# Altium PCB VM3300_V0.5_潘工改.PcbDoc (part 1 of 2)
Units mil, origin at the board's own origin, x right, y up, seen from the top; angles counter-clockwise.
Board outline 5128.14 x 5521.84 mil, 2 copper layers (Top Layer, Bottom Layer), stack 61.855 mil thick; 145 components, 95 nets, 448 pads, 243 vias.
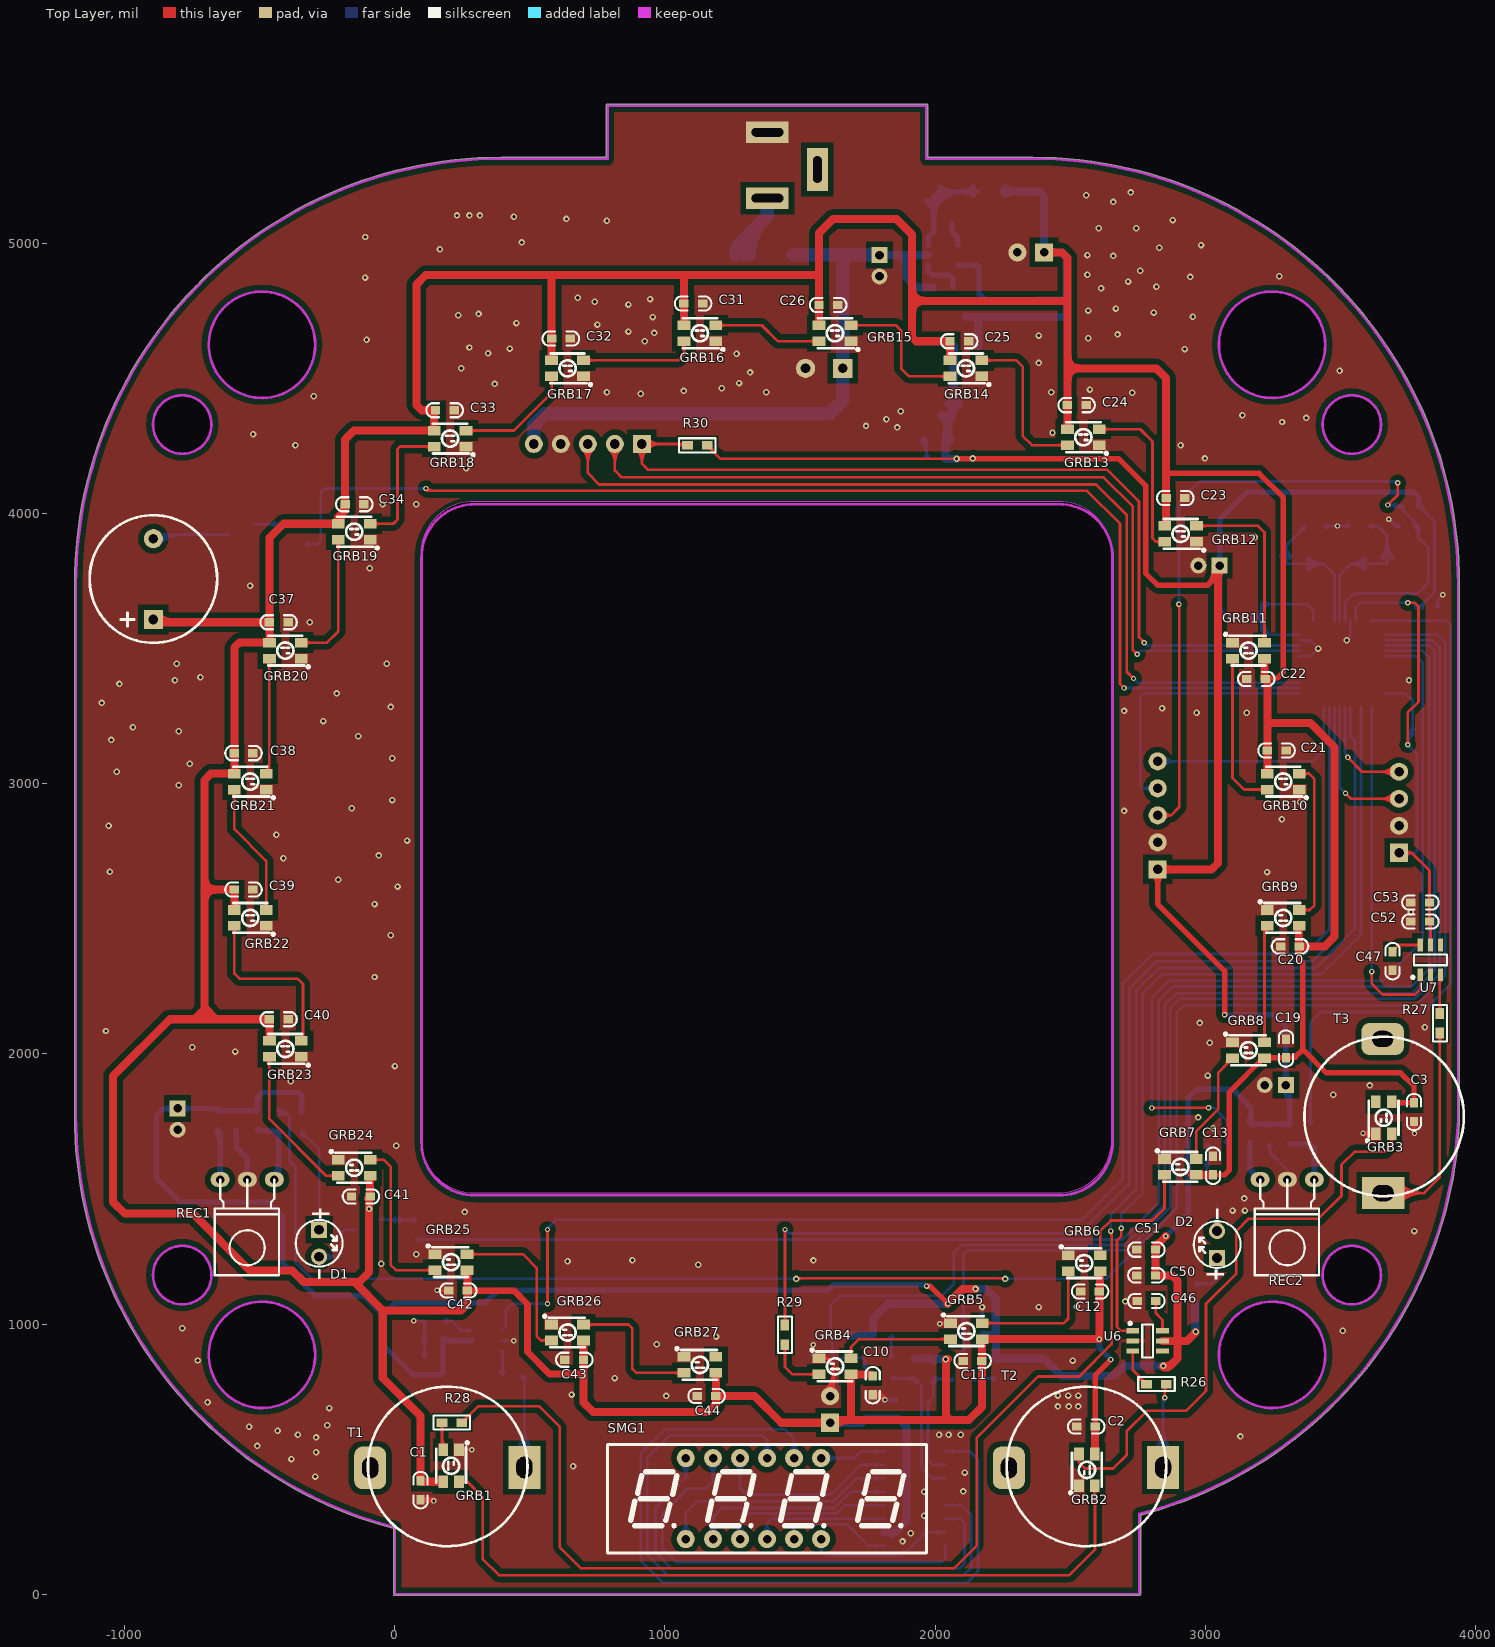
[diagram p0: Top Layer view]
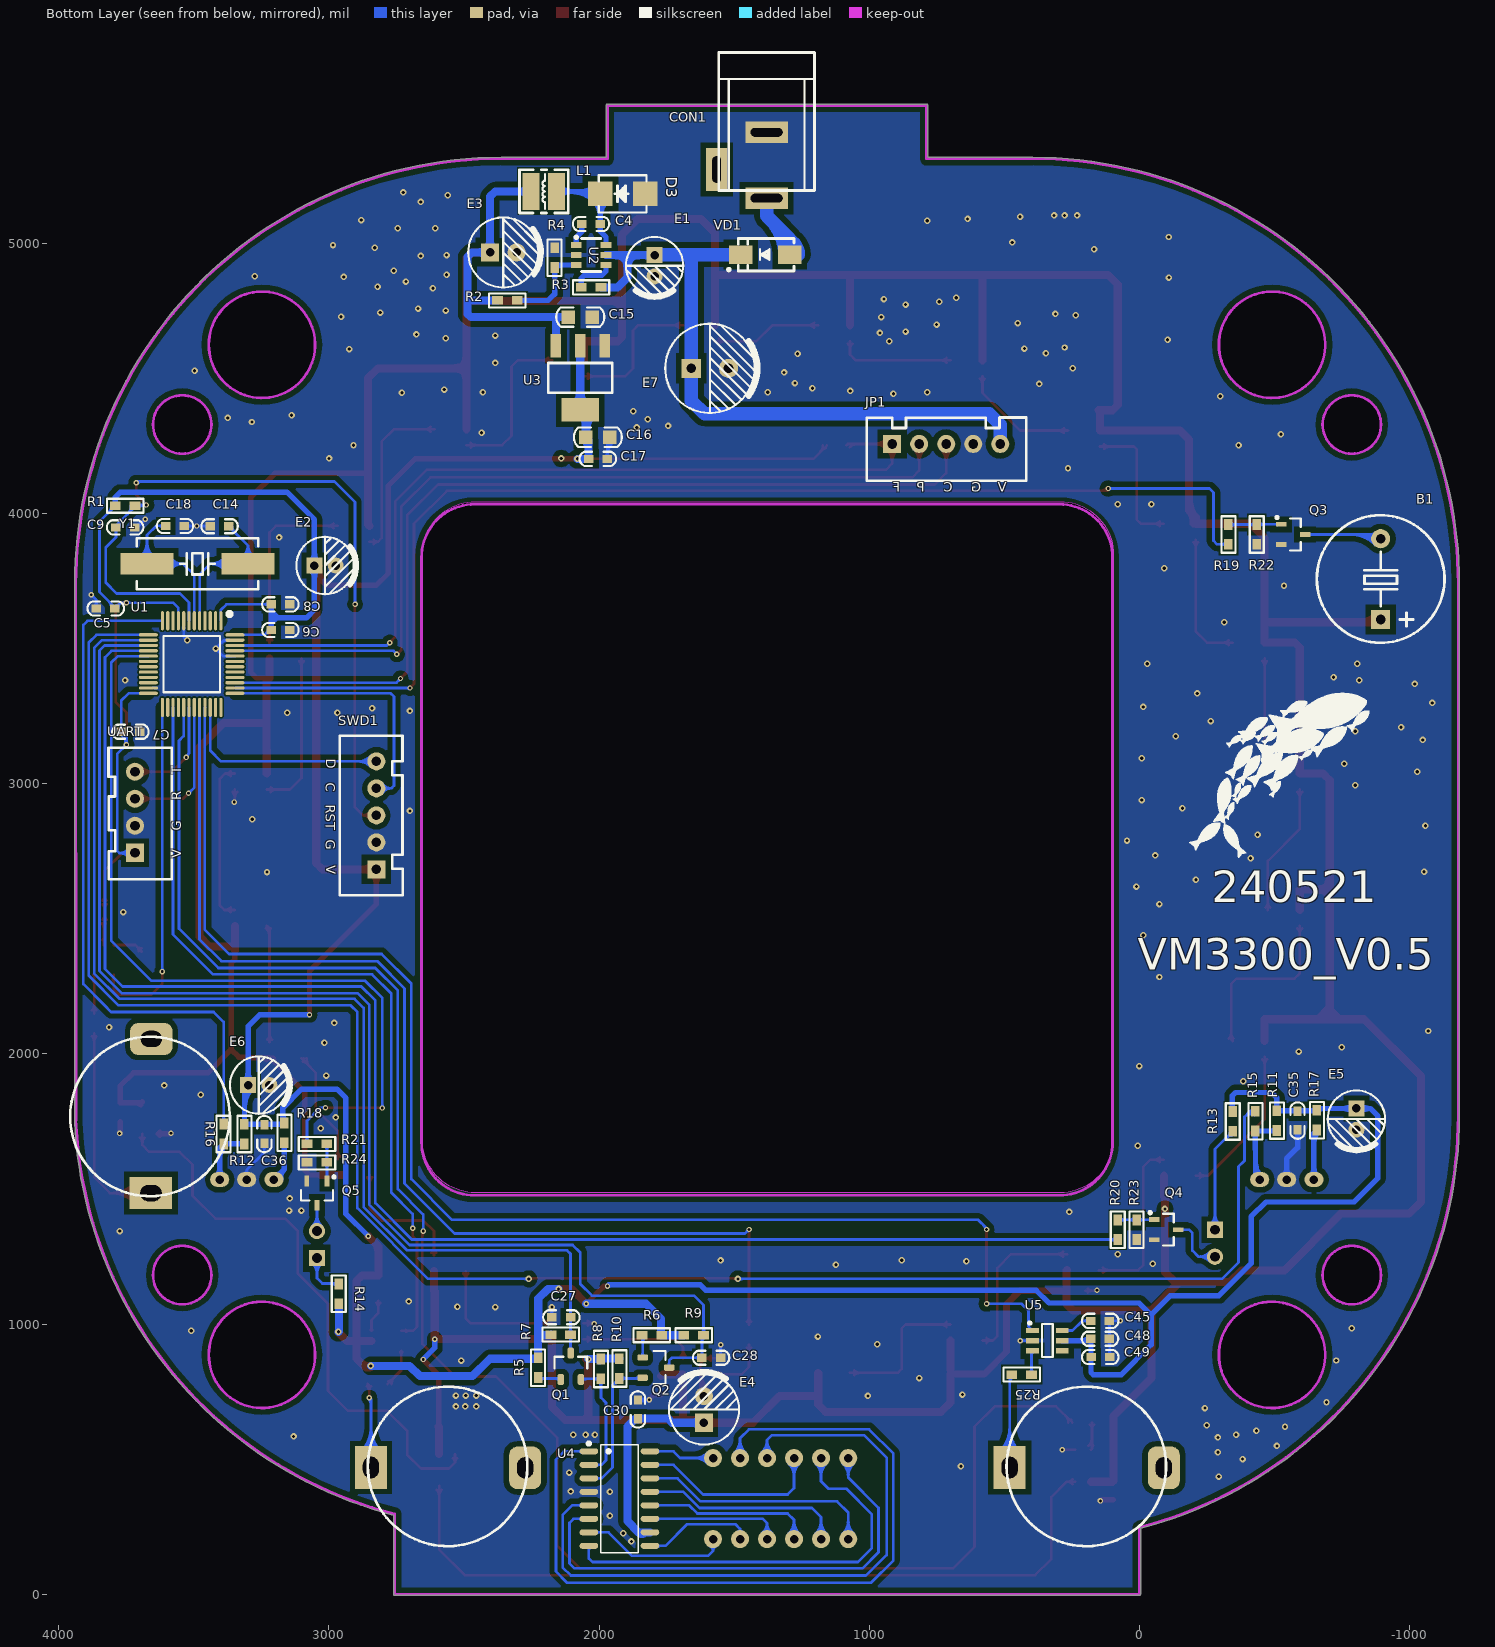
[diagram p1: Bottom Layer view, seen from below]
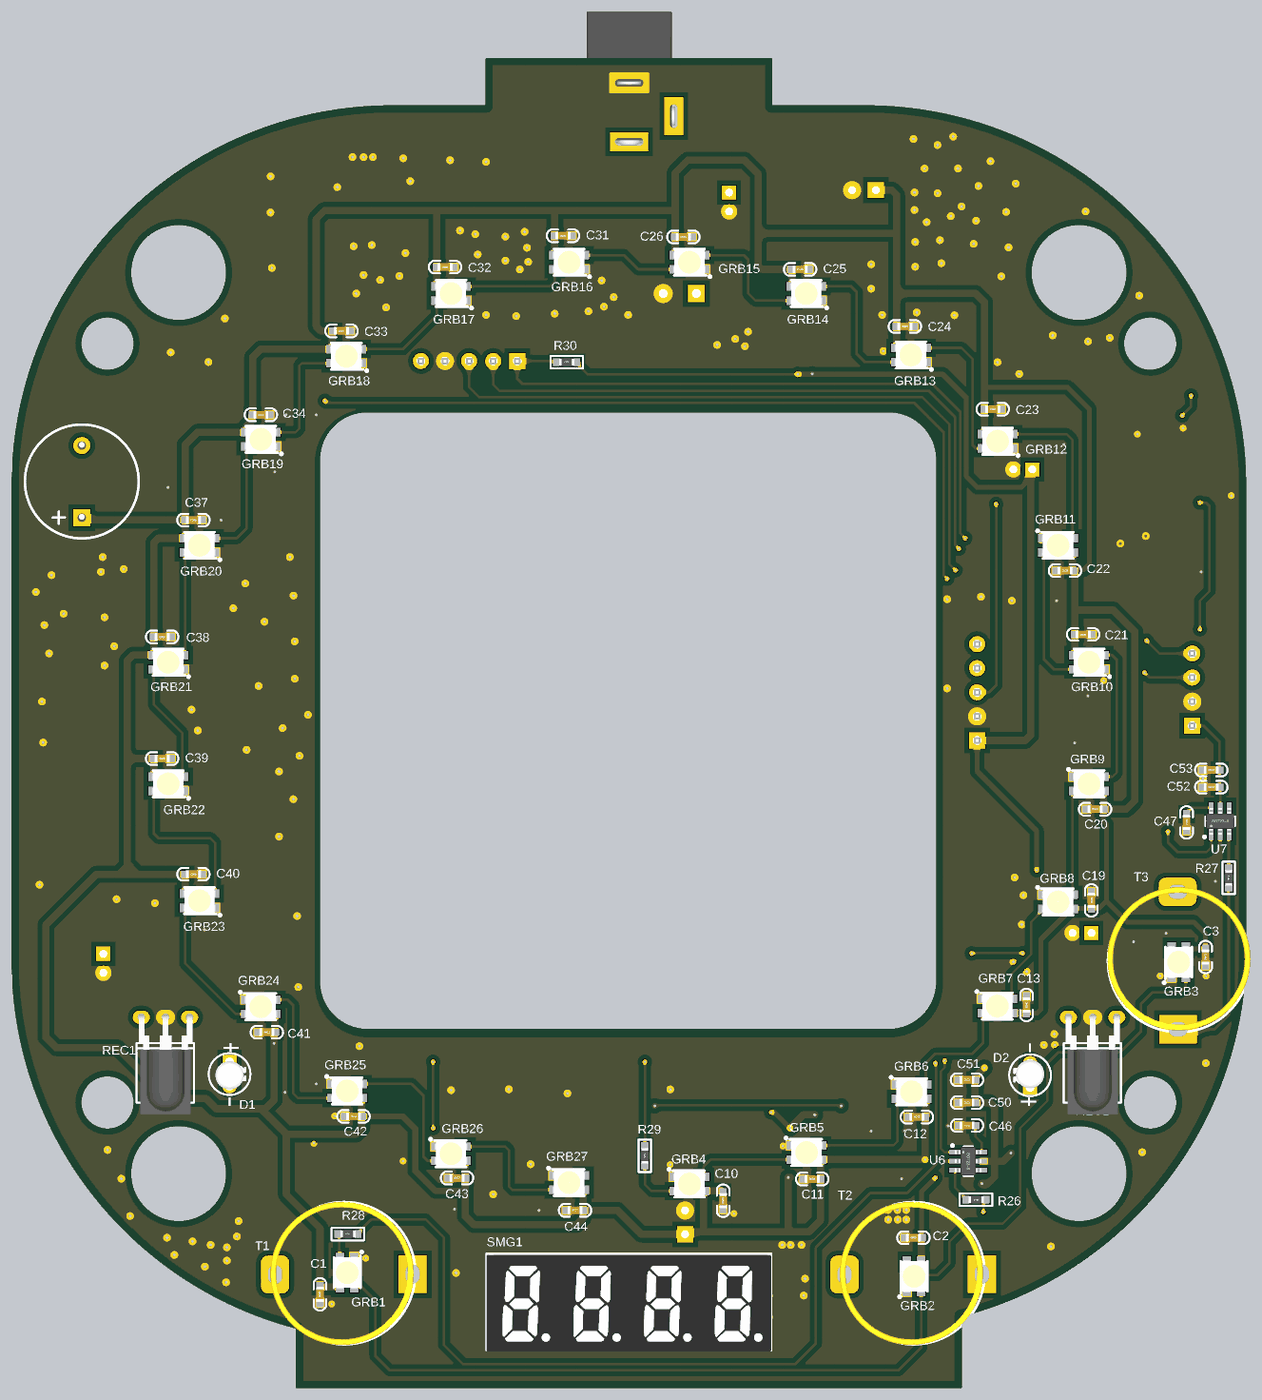
[diagram p3: 3D render of the assembled board from above, using the file's embedded part models]
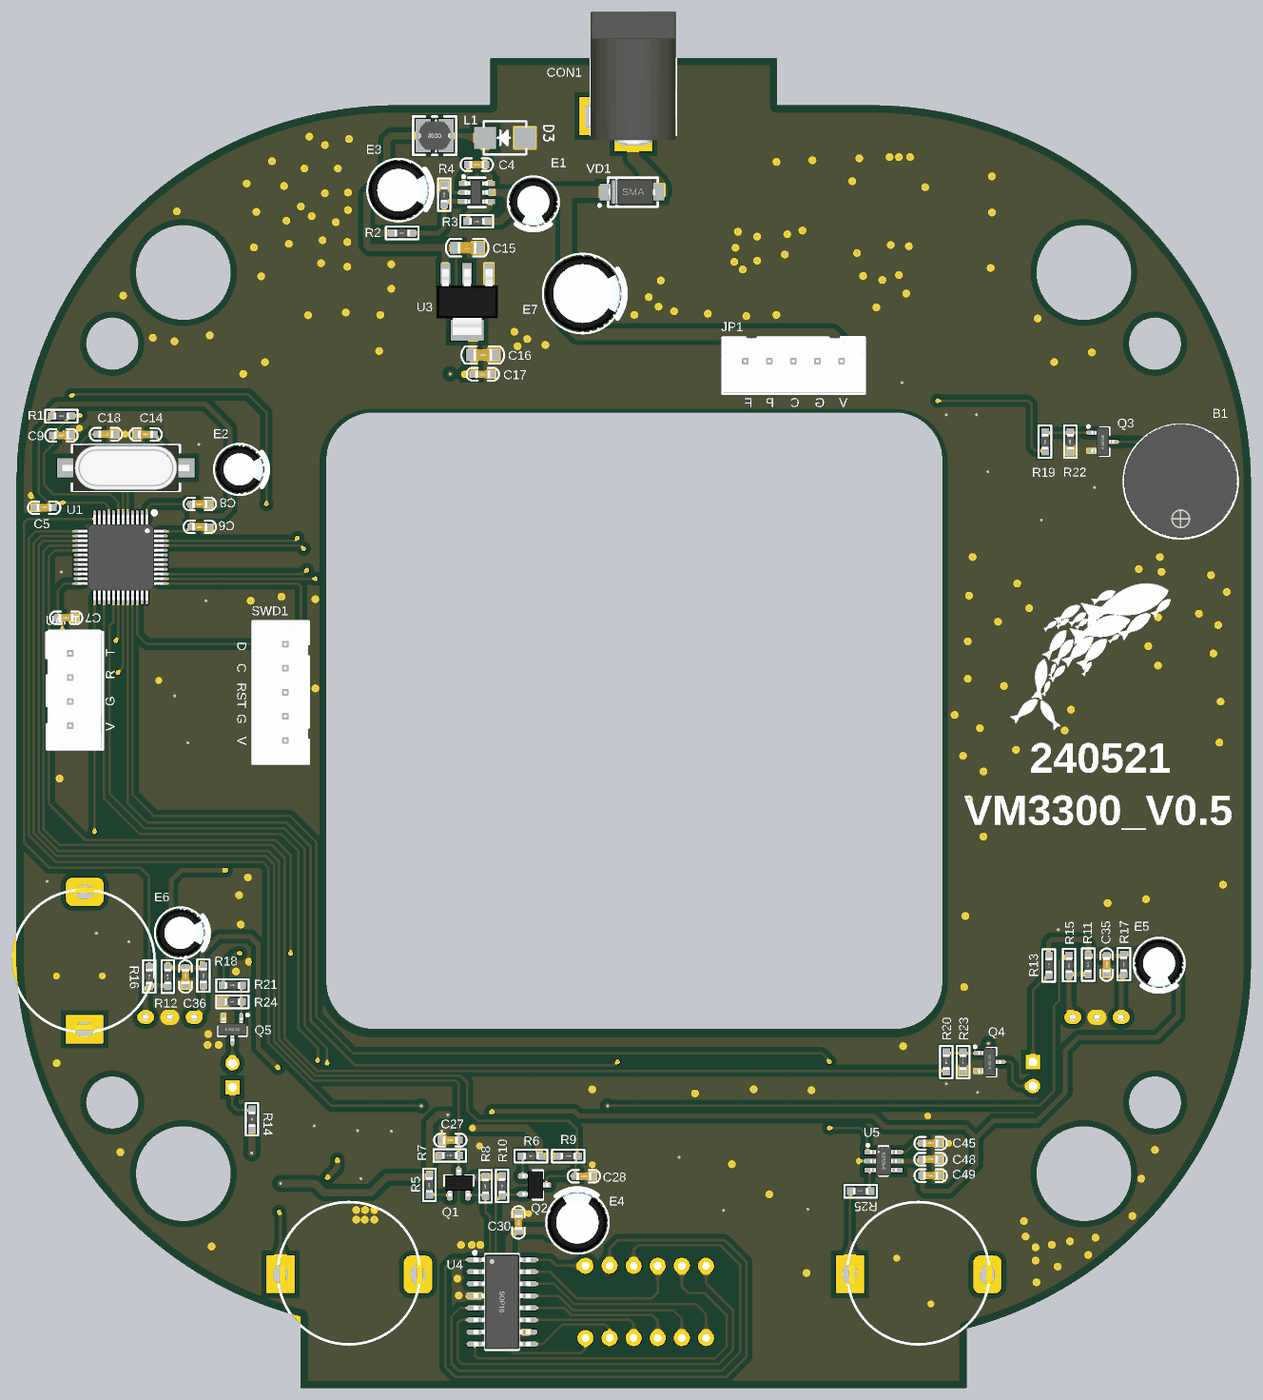
[diagram p4: 3D render of the assembled board from below, using the file's embedded part models]

## Layer stack, top to bottom
Top Solder: solder mask 0.4, Solder Resist, Dk 3.5
Top Layer: signal copper 1.4
Dielectric1: dielectric 59.0551, FR-4, Dk 4.8
Bottom Layer: signal copper 1.4
Bottom Solder: solder mask 0.4, Solder Resist, Dk 3.5

## Board outline
-5.01,242.98 cw(c393.7,1771.65) -1186.12,1771.65 -1186.12,3740.16 cw(c393.7,3740.16) 393.7,5319.98 cw(c393.7,5314.96) 393.73,5319.98 782.39,5319.98 782.39,5511.81 cw(c787.4,5511.81) 787.4,5516.83 1968.5,5516.83 cw(c1968.5,5511.81) 1973.52,5511.81 1973.52,5319.98 2362.2,5319.98 cw(c2362.2,3740.16) 3942.02,3740.16 3942.02,1753.65 cw(c3937.01,1753.65) 3942.02,1753.43 cw(c2363.67,1821.59) 2760.92,292.53 2760.92,0 cw(c2755.91,0) 2755.91,-5.02 0,-5.02 cw(c0,0) -5.01,0
cut-out: 3051.18,885.83 ccw(c3248.03,885.83) 3248.03,688.98 ccw(c3248.03,885.83) 3444.88,885.83 ccw(c3248.03,885.83) 3248.03,1082.68 ccw(c3248.03,885.83)
cut-out: 3435.04,4330.71 ccw(c3543.31,4330.71) 3543.31,4222.44 ccw(c3543.31,4330.71) 3651.57,4330.71 ccw(c3543.31,4330.71) 3543.31,4438.98 ccw(c3543.31,4330.71)
cut-out: 3051.18,4625.98 ccw(c3248.03,4625.98) 3248.03,4429.13 ccw(c3248.03,4625.98) 3444.88,4625.98 ccw(c3248.03,4625.98) 3248.03,4822.83 ccw(c3248.03,4625.98)
cut-out: 3435.04,1181.1 ccw(c3543.31,1181.1) 3543.31,1072.83 ccw(c3543.31,1181.1) 3651.57,1181.1 ccw(c3543.31,1181.1) 3543.31,1289.37 ccw(c3543.31,1181.1)
cut-out: -787.4,1072.83 cw(c-787.4,1181.1) -895.67,1181.1 cw(c-787.4,1181.1) -787.4,1289.37 cw(c-787.4,1181.1) -679.13,1181.1 cw(c-787.4,1181.1)
cut-out: 95.38,1683.29 ccw(c292.23,1683.29) 292.23,1486.44 2457.59,1486.44 ccw(c2457.59,1683.29) 2654.44,1683.29 2654.44,3848.65 ccw(c2457.59,3848.65) 2457.59,4045.5 292.23,4045.5 ccw(c292.23,3848.65) 95.38,3848.65
cut-out: -492.13,4429.13 cw(c-492.13,4625.98) -688.98,4625.98 cw(c-492.13,4625.98) -492.13,4822.83 cw(c-492.13,4625.98) -295.28,4625.98 cw(c-492.13,4625.98)
cut-out: -787.4,4222.44 cw(c-787.4,4330.71) -895.67,4330.71 cw(c-787.4,4330.71) -787.4,4438.98 cw(c-787.4,4330.71) -679.13,4330.71 cw(c-787.4,4330.71)
cut-out: -688.98,885.83 ccw(c-492.13,885.83) -492.13,688.98 ccw(c-492.13,885.83) -295.28,885.83 ccw(c-492.13,885.83) -492.13,1082.68 ccw(c-492.13,885.83)

## Design rules (kind name [scope] priority, off if disabled: settings)
Clearance Clearance_1 [All vs HasFootprint('STM32F030C8T6')] p1: gap=7 ignorepadtopadclearanceinfootprint=FALSE except(0: Arc-Hole Track-Hole SMDPad-Hole THPad-Hole Via-Hole Fill-Hole Poly-Hole Region-Hole Text-Hole)
Clearance [All] p2: gap=8 ignorepadtopadclearanceinfootprint=FALSE except(0: Arc-Hole Track-Hole SMDPad-Hole THPad-Hole Via-Hole Fill-Hole Poly-Hole Region-Hole Text-Hole)
HoleSize [All] p1: absolutevalues=TRUE maxlimit=120 minlimit=1 maxpercent=80.000 minpercent=20.000
MinimumSolderMaskSliver [All] p1: minsoldermaskwidth=7
PlaneClearance [All] p1: clearance=25
PolygonConnect [All] p1: connectstyle=Direct reliefconductorwidth=10 reliefentries=4 polygonreliefangle="90 Angle" airgapwidth=10
RoutingVias [All] p1: holewidth=10 width=20 viastyle="Through Hole" minholewidth=10 minwidth=20 maxholewidth=28 maxwidth=50
SilkToSolderMaskClearance [IsPad] p1: minsilkscreentomaskgap=0 clearancetoexposedcopper=TRUE
SolderMaskExpansion [All] p1: expansion=4
Width [All] p1: maxlimit=100 minlimit=10 preferedwidth=10 minimp=50.000000 maximp=50.000000 favimp=50.000000
26 further rules are at their usual default settings.

## Components (designator, comment, footprint, x,y, rotation, side; value= is the part's Value field where it differs from the comment)
B1 "DC5V" "BEEP 7.6x12x7.5" -894.67,3758.65 r180 bottom
C1 "100nF" "C 0603" 95,385 r90 top
C2 "100nF" "C 0603" 2560,620 r0 top
C3 "100nF" "C 0603" 3773.41,1785 r90 top
C4 "100nF" "C 0603" 2029.44,5073.65 r180 bottom
C5 "100nF" "C 0603" 3826.44,3650 r180 bottom
C6 "100nF" "C 0603" 3180,3570 r0 bottom
C7 "100nF" "C 0603" 3735,3193 r0 bottom
C8 "100nF" "C 0603" 3180,3665 r0 bottom
C9 "100nF" "C 0603" 3754.69,3950 r0 bottom
C10 "100nF" "C 0603" 1769.44,773.65 r90 top
C11 "100nF" "C 0603" 2139.44,863.65 r0 top
C12 "100nF" "C 0603" 2574.44,1120.82 r0 top
C13 "100nF" "C 0603" 3029.44,1585.98 r270 top
C14 "22pF" "C 0603" 3405,3953.87 r180 bottom
C15 "10uF/16V" "C 0805" 2069.44,4728.65 r0 bottom
C16 "10uF/16V" "C 0805" 2004.44,4283.65 r0 bottom
C17 "100nF" "C 0603" 2004.44,4203.65 r0 bottom
C18 "22pF" "C 0603" 3570,3955 r0 bottom
C19 "100nF" "C 0603" 3299.09,2020 r270 top
C20 "100nF" "C 0603" 3314.44,2398.65 r0 top
C21 "100nF" "C 0603" 3264.91,3123.65 r180 top
C22 "100nF" "C 0603" 3189.44,3388.65 r0 top
C23 "100nF" "C 0603" 2889.44,4058.65 r180 top
C24 "100nF" "C 0603" 2524.44,4402.25 r180 top
C25 "100nF" "C 0603" 2089.44,4639.12 r180 top
C26 "100nF" "C 0603" 1604.44,4773.65 r180 top
C27 "100pF" "C 0603" 2139.44,1025.02 r180 bottom
C28 "100pF" "C 0603" 1585,875.15 r0 bottom
C30 "100nF" "C 0603" 1856.34,683.65 r270 bottom
C31 "100nF" "C 0603" 1104.44,4778.65 r180 top
C32 "100nF" "C 0603" 614.44,4648.65 r180 top
C33 "100nF" "C 0603" 184.44,4383.65 r180 top
C34 "100nF" "C 0603" -150.56,4035.43 r180 top
C35 "100nF" "C 0603" -586.71,1753.28 r270 bottom
C36 "100nF" "C 0603" 3239.36,1703.65 r270 bottom
C37 "100nF" "C 0603" -430.56,3598.65 r180 top locked
C38 "100nF" "C 0603" -560.56,3113.65 r180 top locked
C39 "100nF" "C 0603" -560.56,2608.65 r180 top
C40 "100nF" "C 0603" -430.56,2128.65 r180 top
C41 "100nF" "C 0603" -125.56,1472.65 r0 top
C42 "100nF" "C 0603" 234.44,1123.65 r0 top
C43 "100nF" "C 0603" 664.44,867.65 r0 top
C44 "100nF" "C 0603" 1154.44,733.65 r0 top
C45 "10nF" "C 0603" 144.23,1011.96 r180 bottom
C46 "10nF" "C 0603" 2782.43,1085.66 r180 top
C47 "10nF" "C 0603" 3694.44,2343.65 r270 top
C48 "100nF" "C 0603" 144.95,945.54 r0 bottom
C49 "1uF" "C 0603" 144.23,877.62 r0 bottom
C50 "100nF" "C 0603" 2782.43,1180.34 r0 top
C51 "1uF" "C 0603" 2782.43,1275.34 r0 top
C52 "100nF" "C 0603" 3797.03,2490 r0 top
C53 "1uF" "C 0603" 3797.03,2561.13 r0 top
CON1 "3.5*1.3" DC-005 1379.44,5412.74 r90 bottom locked
D1 "HC-F3-C06A" HC-F3-C06A -285.56,1299.22 r270 top
D2 "HC-F3-C06A" HC-F3-C06A 3049.44,1294.22 r90 top locked
D3 "SS14" SMA#1 1912.17,5185 r180 bottom
E1 "100uF/25V" "CAP 2.0*5*11 - BK" 1794.44,4918.65 r270 bottom
E2 "100uF/16V" "CAP 2.0*5*11 - BK" 3014.44,3808.65 r180 bottom
E3 "470uF/10V" "CAP 2.5*6.3*11.2 - BK" 2354.44,4967.86 r180 bottom
E4 "470uF/10V" "CAP 2.5*6.3*11.2 - BK" 1611.34,683.65 r90 bottom
E5 "100uF/16V" "CAP 2.0*5*11 - BK" -804.56,1758.76 r270 bottom
E6 "100uF/16V" "CAP 2.0*5*11 - BK" 3260,1885 r180 bottom
E7 "220uF/35V" "CAP 3.5*8*11.5 - BK" 1589.44,4538.65 r180 bottom
GRB1 "WS2812B" WS2812B-3528 208.02,475 r90 top
GRB2 "WS2812B" WS2812B-3528 2562.63,460 r270 top
GRB3 "WS2812B" WS2812B-3528 3661.42,1763.65 r270 top
GRB4 "WS2812B" WS2812B-3528 1629.76,843.28 r180 top locked
GRB5 "WS2812B" WS2812B-3528 2116.2,973.62 r180 top locked
GRB6 "WS2812B" WS2812B-3528 2552.34,1225.42 r180 top locked
GRB7 "WS2812B" WS2812B-3528 2908.44,1581.52 r180 top locked
GRB8 "WS2812B" WS2812B-3528 3160.78,2013.65 r180 top
GRB9 "WS2812B" WS2812B-3528 3289.44,2503.65 r180 top locked
GRB10 "WS2812B" WS2812B-3528 3289.44,3008.65 r0 top
GRB11 "WS2812B" WS2812B-3528 3160.78,3493.65 r180 top locked
GRB12 "WS2812B" WS2812B-3528 2909.44,3925.83 r0 top
GRB13 "WS2812B" WS2812B-3528 2549.44,4283.65 r0 top
GRB14 "WS2812B" WS2812B-3528 2114.44,4538.73 r0 top
GRB15 "WS2812B" WS2812B-3528 1629.44,4668.65 r0 top
GRB16 "WS2812B" WS2812B-3528 1129.44,4668.65 r0 top
GRB17 "WS2812B" WS2812B-3528 639.44,4538.65 r0 top locked
GRB18 "WS2812B" WS2812B-3528 204.44,4278.65 r0 top
GRB19 "WS2812B" WS2812B-3528 -150.56,3933.65 r0 top
GRB20 "WS2812B" WS2812B-3528 -405.56,3493.65 r0 top locked
GRB21 "WS2812B" WS2812B-3528 -535.56,3008.65 r0 top locked
GRB22 "WS2812B" WS2812B-3528 -535.56,2503.65 r0 top
GRB23 "WS2812B" WS2812B-3528 -405.56,2018.65 r0 top
GRB24 "WS2812B" WS2812B-3528 -150.56,1578.65 r180 top locked
GRB25 "WS2812B" WS2812B-3528 208.02,1229.09 r180 top locked
GRB26 "WS2812B" WS2812B-3528 639.44,968.65 r180 top locked
GRB27 "WS2812B" WS2812B-3528 1129.44,848.65 r180 top locked
JP1 "HDR-1X5" XH2.54-5P 914.44,4258.65 r180 bottom
L1 "4.7uH" CD32 2204.44,5193.65 r0 bottom
Q1 "AO3400A" SOT23-3 2104.44,843.65 r90 bottom
Q2 "AO3400A" SOT23-3 1789.44,838.65 r180 bottom
Q3 "S8050" SOT23-3L -570.56,3923.65 r270 bottom
Q4 "SS8050" SOT23-3L -100.56,1349.22 r270 bottom
Q5 "SS8050" SOT23-3L 3044.44,1484.79 r0 bottom
R1 "10K" "R 0603" 3754.69,4030 r0 bottom
R2 "27K" "R 0603" 2339.44,4790.01 r0 bottom
R3 "100K" "R 0603" 2029.44,4838.65 r0 bottom
R4 "5.1K" "R 0603" 2164.44,4948.65 r270 bottom
R5 "2K" "R 0603" 2225.91,838.65 r90 bottom
R6 "2K" "R 0603" 1804.44,958.65 r180 bottom
R7 "10K" "R 0603" 2141.84,961.16 r0 bottom
R8 "10K" "R 0603" 1992.94,833.65 r90 bottom
R9 "10K" "R 0603" 1649.44,958.65 r0 bottom
R10 "10K" "R 0603" 1924.44,835.15 r90 bottom
R11 "36K" "R 0603" -510.13,1753.28 r90 bottom
R12 "36K" "R 0603" 3312.87,1703.53 r90 bottom
R13 "5.1K" "R 0603" -346.51,1750 r270 bottom
R14 "5.1K" "R 0603" 2963.52,1111.66 r90 bottom
R15 "1K" "R 0603" -430.63,1751.32 r90 bottom
R16 "1K" "R 0603" 3390,1703.65 r90 bottom
R17 "100R" "R 0603" -658.19,1755 r90 bottom
R18 "100R" "R 0603" 3165,1707.58 r90 bottom
R19 "1K" "R 0603" -330.56,3923.65 r90 bottom
R20 "10K" "R 0603" 79.44,1349.22 r90 bottom
R21 "10K" "R 0603" 3044.44,1666.78 r180 bottom
R22 "10K" "R 0603" -435.56,3923.65 r90 bottom
R23 "4.7K" "R 0603" 9.44,1349.22 r90 bottom
R24 "4.7K" "R 0603" 3044.44,1598.65 r180 bottom
R25 "1K" "R 0603" 435,812.75 r180 bottom
R26 "1K" "R 0603" 2820,777.62 r180 top
R27 "1K" "R 0603" 3869.44,2113.65 r90 top
R28 "1K" "R 0603" 211,635 r0 top
R29 "1K" "R 0603" 1444.44,960 r90 top
R30 "4.7K" "R 0603" 1120,4253.65 r0 top
REC1 "HC-1538LD" REC2-S -446.38,1535 r180 top
REC2 "HC-1538LD" REC2-S 3404.54,1535 r180 top
SMG1 "2843A" "SMG 0.28_4P_JOANLAB" 787.4,553.65 r0 top
SWD1 "HDR-1X5" SWD_JOANLAB 2824.44,3083.65 r270 bottom
T1 "TH_Touch" TH_Touch -53.43,471.17 r90 top locked
T2 "TH_Touch" TH_Touch 2311.57,471.17 r90 top locked
T3 "TH_Touch" TH_Touch 3661.42,2017.66 r0 top locked
U1 "STM32F030C8T6" STM32F030C8T6 3508.43,3443.65 r0 bottom
U2 "ME3116AM6G" ME3116AM6G 2029.44,4958.65 r180 bottom
U3 "AMS1117-3.3" AMS1117-3.3 2069.44,4503.65 r90 bottom
U4 "TM1650" TM1650 1924.44,348.65 r180 bottom
U5 "TK8021" TK8021 340,938.65 r270 bottom
U6 "TK8021" TK8021 2787.43,937.34 r270 top
U7 "TK8021" TK8021 3834.44,2348.65 r0 top
UART "HDR-1X4" XH2.54-4P 3718.19,2745 r90 bottom
VD1 "SS34" SMA#2 1384.44,4959.47 r0 bottom
Y1 "8MHz" "XTAL-49S SMD" 3486.74,3815 r180 bottom

## Footprints (in the part's own frame and the unit in brackets; to place one, negate y for a bottom-side part, rotate by r counter-clockwise, add the part's x,y. Pads: shape width x height; smd on the part's side, far side on the other; paste and mask are expansions set on the pad)
AMS1117-3.3 [mm]
  rect 2.2x1 smd: 1(3,-2.3) 2(3,0) 3(3,2.3)
  rect 2.2x3.5 smd: 2(-3,0)
  silkscreen extent -1.4,-3 1.4,3, body extent -3.49,-3.24 3.49,3.24, height 1.64
"BEEP 7.6x12x7.5" [mm]
  rect 1.8x1.8 hole 0.9: 1(-0.011,-3.811)
  round 1.8 hole 0.9: 2(-0.011,3.789)
  silkscreen extent -6.01,-6 5.99,6, body extent -6.01,-5.93 5.99,6.07, height 7.55
"C 0603" [mil]
  rect 35x30 smd: 1(-35,0) 2(34,0)
  silkscreen extent -67,-26 67,26, body extent -31,-16 31,16, height 32
"C 0805" [mil]
  rect 50x50 smd: 1(-45,0) 2(45,0)
  silkscreen extent -89,-36 89,36, body extent -39,-24 39,24, height 20
"CAP 2.0*5*11 - BK" [mm]
  rect 1.5x1.5 hole 0.8: 1(-1,0)
  round 1.5 hole 0.8: 2(1,0)
  silkscreen extent -2.7,-2.7 2.96,2.7, body extent -2.5,-2.5 2.51,2.5, height 11.04
"CAP 2.5*6.3*11.2 - BK" [mm]
  rect 1.7x1.7 hole 0.8: 1(-1.25,0)
  round 1.7 hole 0.8: 2(1.25,0)
  silkscreen extent -3.3,-3.3 3.56,3.3, body extent -3.15,-3.15 3.16,3.15, height 11.24
"CAP 3.5*8*11.5 - BK" [mm]
  rect 1.8x1.8 hole 0.9: 1(-1.75,0)
  round 1.8 hole 0.9: 2(1.75,0)
  silkscreen extent -4.2,-4.2 4.5,4.2, body extent -4,-4 4.01,4, height 11.54
CD32 [mm]
  rect 1.6x3.5 smd: 1(-1.2,0) 2(1.2,0)
  silkscreen extent -2.29,-2.03 2.29,2.03, body extent -1.71,-1.5 1.71,1.5, height 2.15
DC-005 [mm]
  rect 2x4 hole 0.8 slot 3 at 90 deg: 1(-6.2,0) 2(0,0)
  rect 4x2 hole 0.8 slot 2.5 at 0 deg: 3(-3.5,4.7)
  silkscreen extent -5.48,-4.5 7.5,4.5, body extent -6.55,-4.5 7.5,4.8, height 11.2
HC-F3-C06A [mil]
  rect 60x60 hole 36: 1(-50,5)
  round 60 hole 36: 2(50,5)
  silkscreen extent -128,-82 132,92, body extent -71,-71 67,81, height 59
ME3116AM6G [mm]
  rect 1x0.55 smd: 1(-1.4,0.95) 2(-1.4,0) 3(-1.4,-0.95) 4(1.4,-0.95) 5(1.4,0) 6(1.4,0.95)
  silkscreen extent -1.52,-1.55 0.9,1.78, body extent -1.27,-1.4 1.16,1.4, height 1.09
"R 0603" [mil]
  rect 40x31.5 smd: 1(-36.5,0) 2(36.5,0)
  silkscreen extent -68,-26 68,26, body extent -31,-16 31,16, height 16
REC2-S [mm]
  oval 1.8x1.4 hole 0.8: 1(0,0) 2(2.54,0) 3(5.1,0)
  silkscreen extent -0.45,-0.01 5.6,9.01, body extent -0.3,-0.25 5.38,10.25, height 4.4
SMA#1 [mm]
  rect 2.3x2.3 smd: 1(2.1,0) 2(-2.1,0)
  silkscreen extent -2.25,-1.75 2.25,1.75
SMA#2 [mm]
  rect 2.2x1.75 smd: 1(-2.3,0) 2(2.3,0)
  silkscreen extent -2.7,-1.52 3.56,1.52, body extent -2.52,-1.3 2.57,1.3, height 2.15
"SMG 0.28_4P_JOANLAB" [mm]
  round 1.7 hole 0.8: 1(7.36,-8.89) 2(9.92,-8.89) 3(12.46,-8.89) 4(15,-8.89) 5(17.54,-8.89) 6(20.08,-8.89) 7(20.08,-1.27) 8(17.54,-1.27) 9(15,-1.27) 10(12.46,-1.27) 11(9.92,-1.27) 12(7.36,-1.27)
  silkscreen extent 0,-10.2 30,0, body extent 0,-10.3 30,-0.1, height 4.2
SOT23-3 [mm] "SOT23, 3-Leads, Body 3.1x3.0mm (max), Pi"
  rrect50% 1x0.6 smd: 1(-1.246,0.95) 2(-1.246,-0.95) 3(1.246,0)
  silkscreen extent -0.2,-1.55 0.9,1.55, body extent -1.3,-1.45 1.5,1.45, height 1.2
SOT23-3L [mm]
  rect 0.45x1 smd: 1(-0.95,-1.143) 2(0.95,-1.143) 3(0,1.125)
  silkscreen extent -1.72,-1.65 1.5,0.7, body extent -1.5,-1.2 1.5,1.2, height 1.05
STM32F030C8T6 [mm]
  oval 0.3x1.8 smd: 1(-2.75,-4.073) 2(-2.25,-4.073) 3(-1.75,-4.073) 4(-1.25,-4.073) 5(-0.75,-4.073) 6(-0.25,-4.073) 7(0.25,-4.073) 8(0.75,-4.073) 9(1.25,-4.073) 10(1.75,-4.073) 11(2.25,-4.073) 12(2.75,-4.073) 25(2.75,4.073) 26(2.25,4.073) 27(1.75,4.073) 28(1.25,4.073) 29(0.75,4.073) 30(0.25,4.073) 31(-0.25,4.073) 32(-0.75,4.073) 33(-1.25,4.073) 34(-1.75,4.073) 35(-2.25,4.073) 36(-2.75,4.073)
  oval 1.8x0.3 smd: 13(4.073,-2.75) 14(4.073,-2.25) 15(4.073,-1.75) 16(4.073,-1.25) 17(4.073,-0.75) 18(4.073,-0.25) 19(4.073,0.25) 20(4.073,0.75) 21(4.073,1.25) 22(4.073,1.75) 23(4.073,2.25) 24(4.073,2.75) 37(-4.073,2.75) 38(-4.073,2.25) 39(-4.073,1.75) 40(-4.073,1.25) 41(-4.073,0.75) 42(-4.073,0.25) 43(-4.073,-0.25) 44(-4.073,-0.75) 45(-4.073,-1.25) 46(-4.073,-1.75) 47(-4.073,-2.25) 48(-4.073,-2.75)